# Altium PCB Forno.PcbDoc (part 1 of 2)
Units mm, origin at the board's own origin, x right, y up, seen from the top; angles counter-clockwise.
Board outline 100 x 99.75 mm, 2 copper layers (Top Layer, Bottom Layer); 291 components, 157 nets, 831 pads, 425 vias.
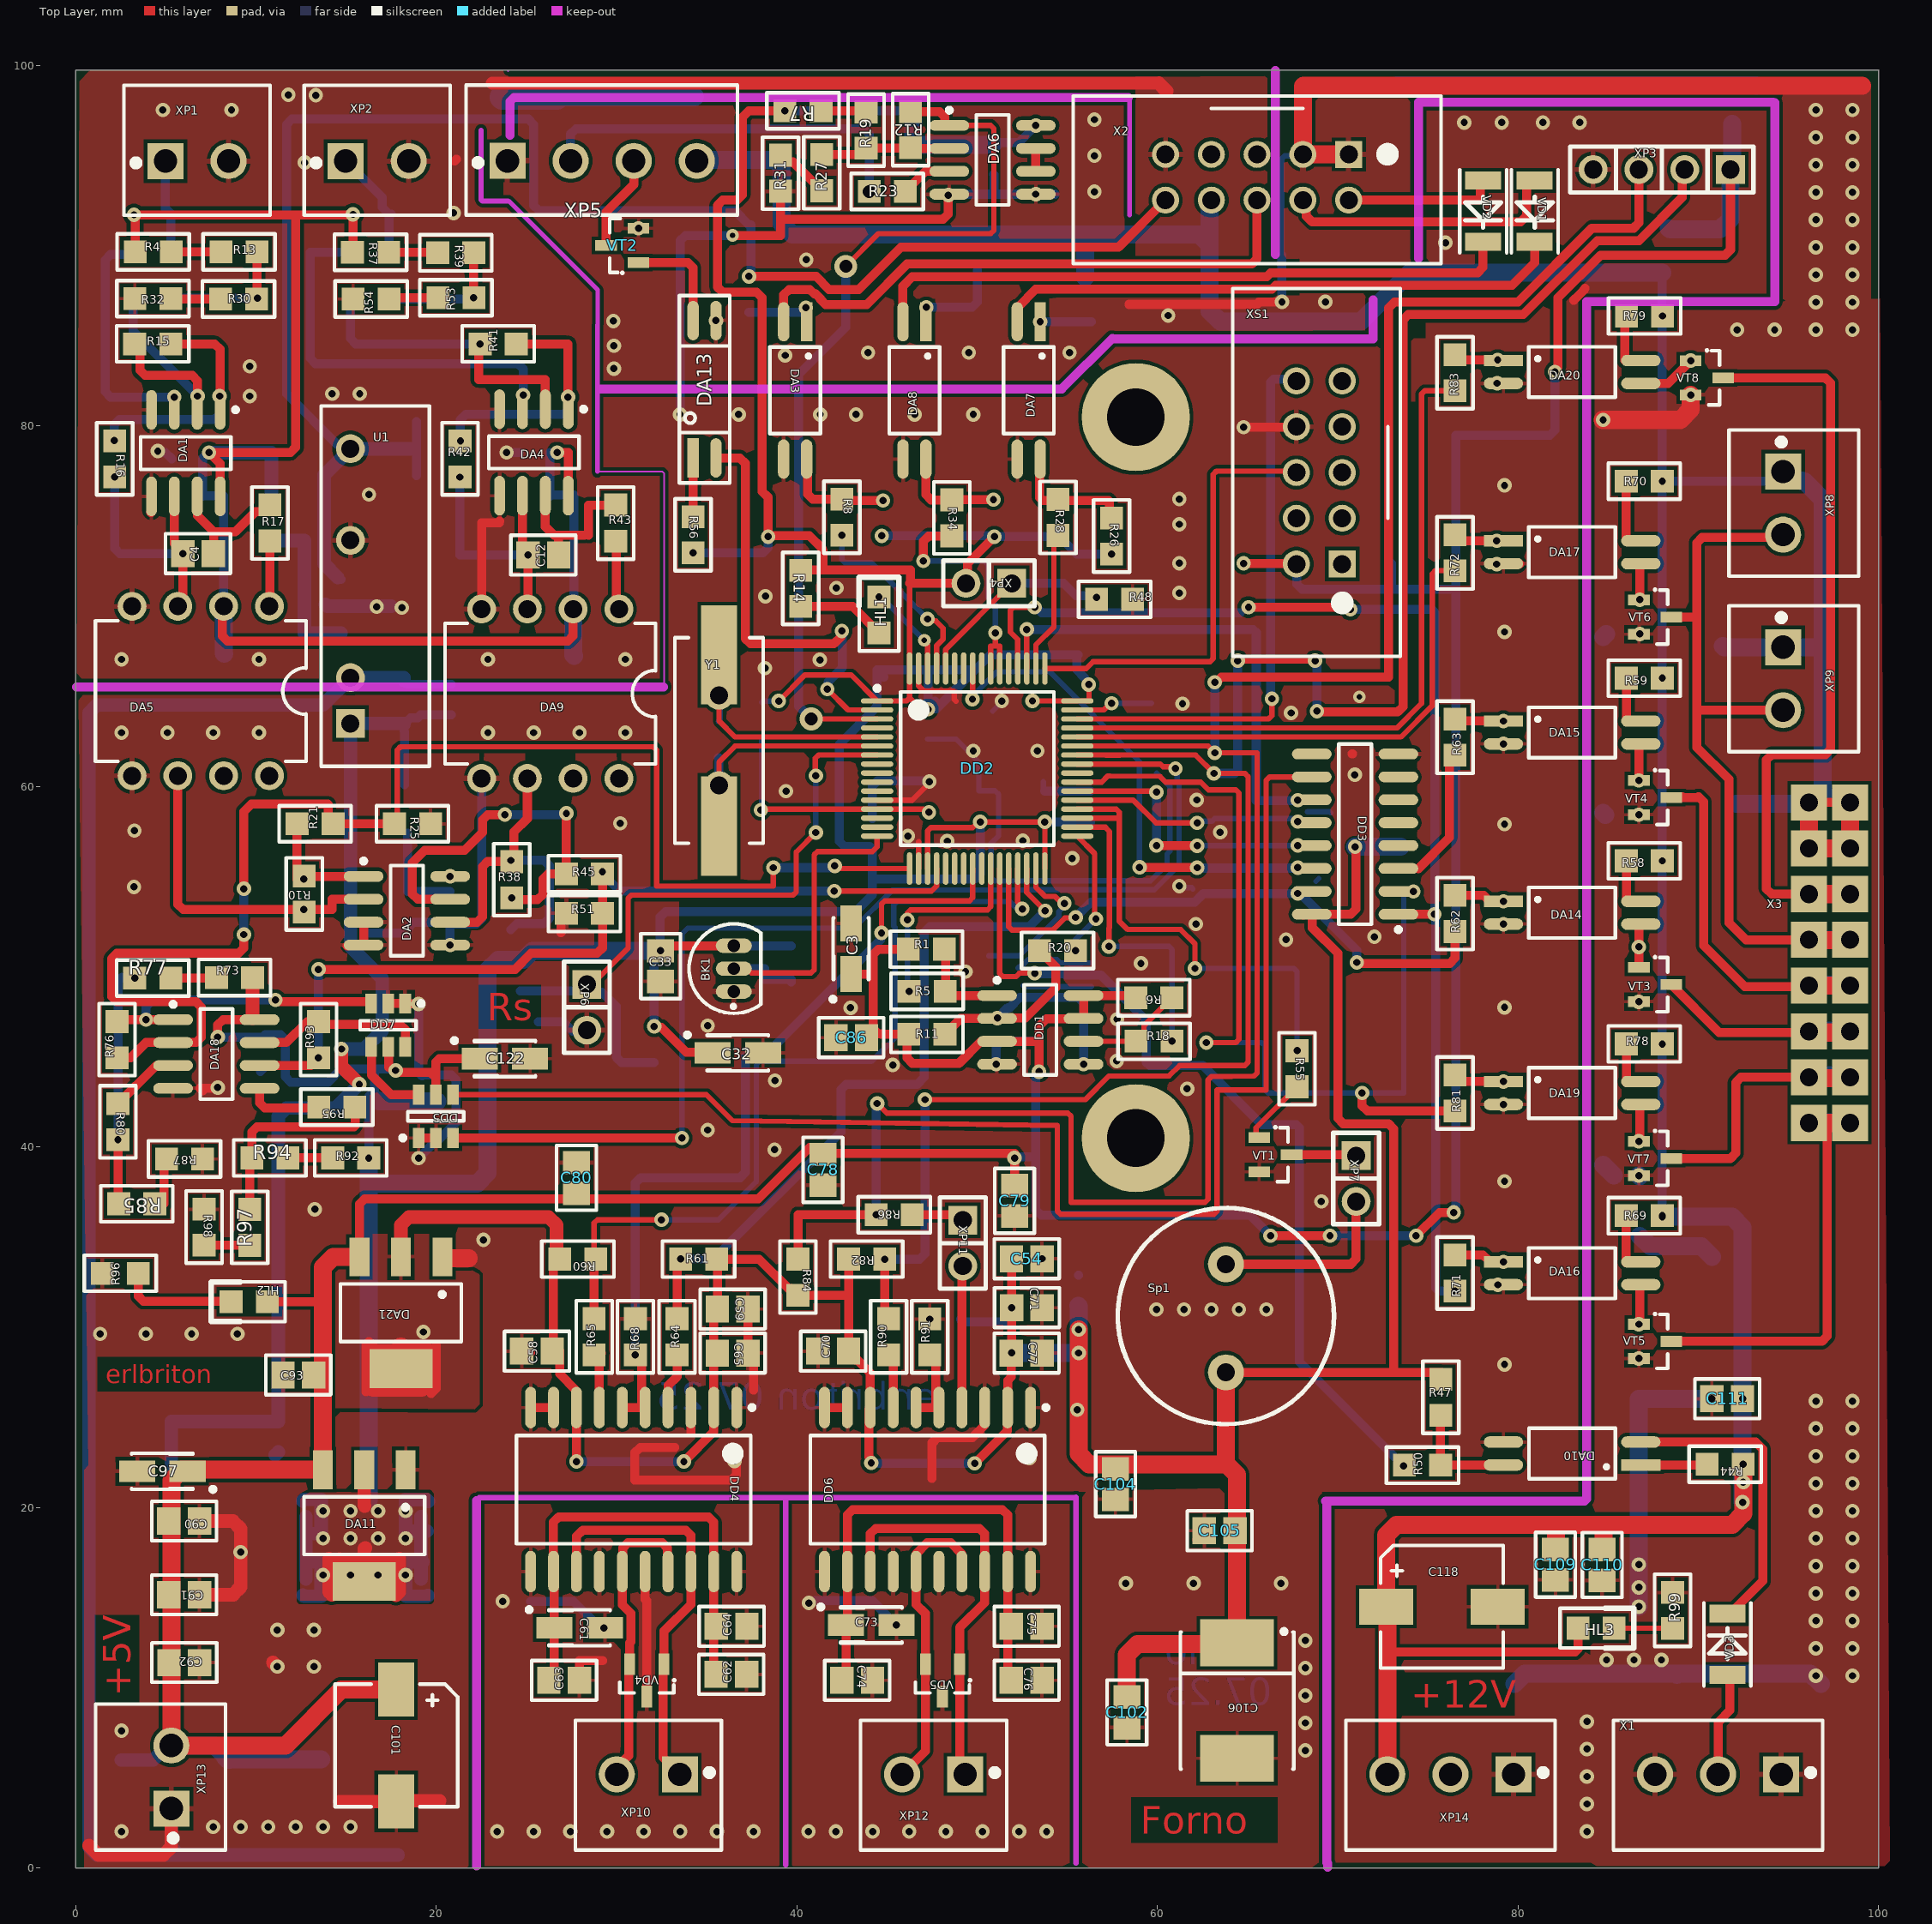
[diagram p0: Top Layer view]
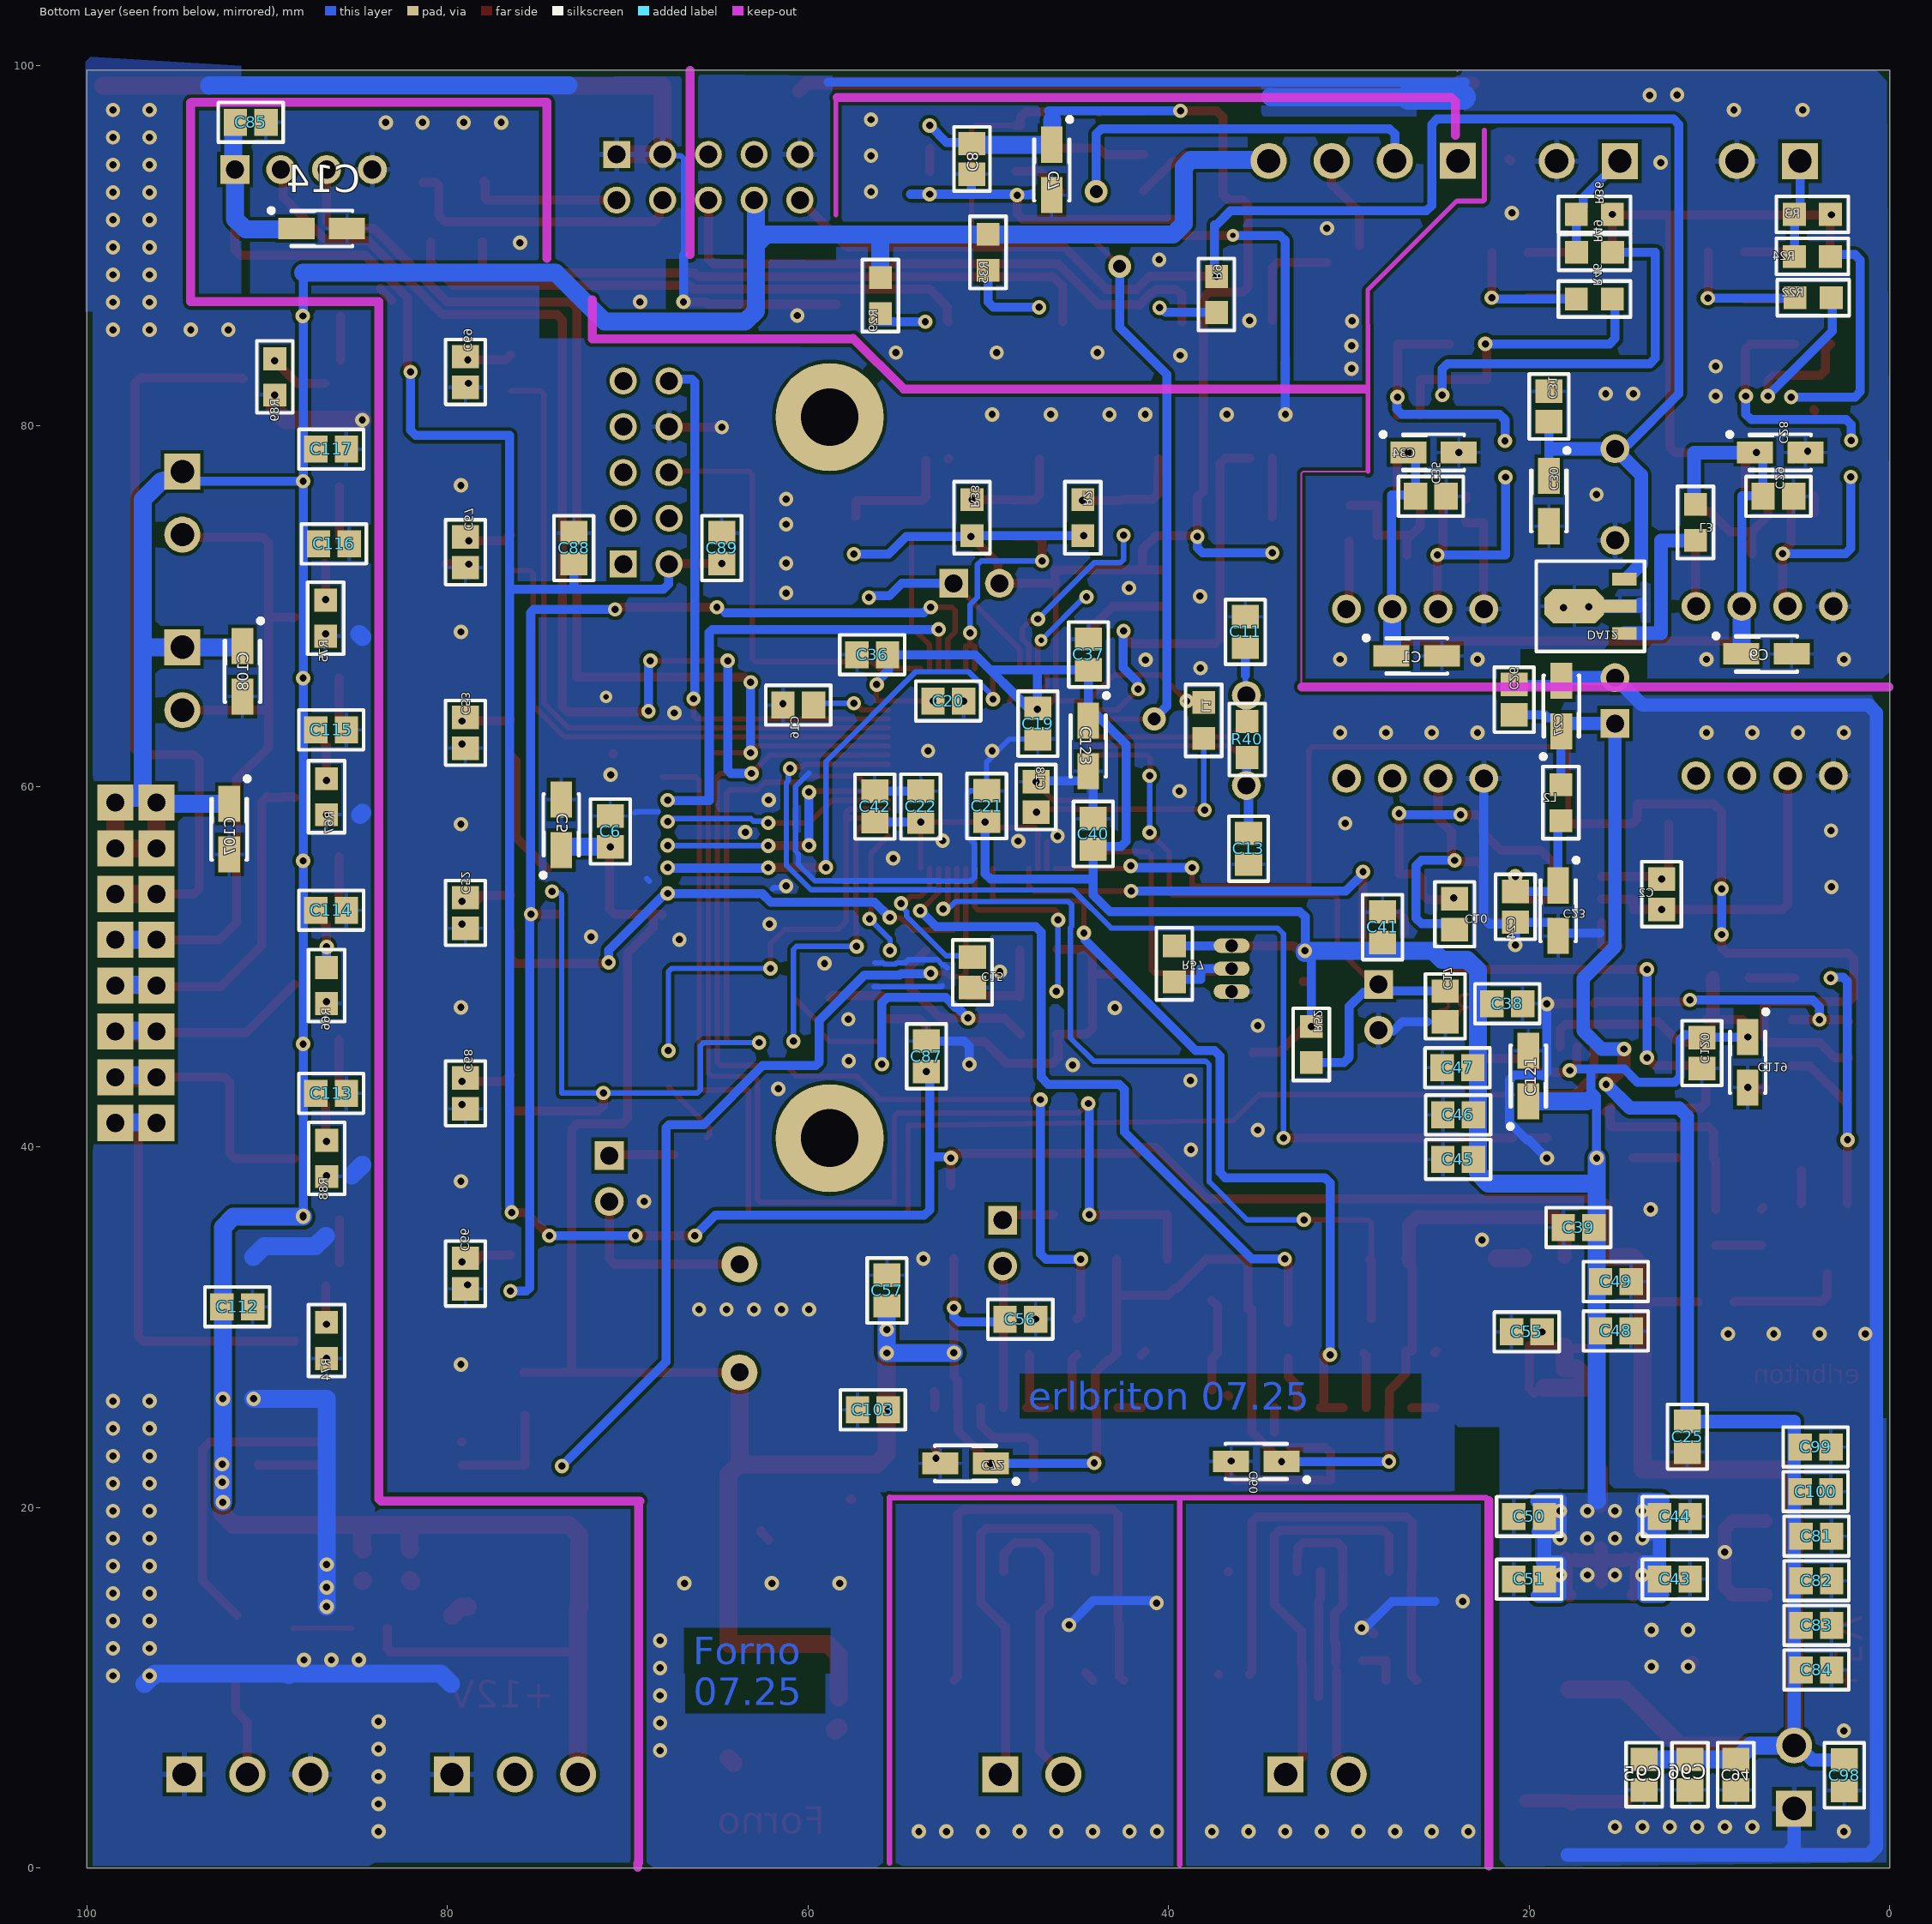
[diagram p1: Bottom Layer view, seen from below]

## Layer stack, top to bottom
Top Solder: solder mask 0.0102, Solder Resist, Dk 3.5
Top Layer: signal copper 0.0356
Dielectric 1: dielectric 0.32, FR-4, Dk 4.8
Bottom Layer: signal copper 0.0356
Bottom Solder: solder mask 0.0102, Solder Resist, Dk 3.5

## Board outline
0,0 100,0 100,99.746 0,99.746

## Design rules (kind name [scope] priority, off if disabled: settings)
Clearance [All] p1: gap=0.2 ignorepadtopadclearanceinfootprint=FALSE
ComponentClearance [All vs InComponent('Sp1')] p1: gap=0 collisioncheckmode=3 verticalgap=0 showdistances=TRUE
HoleSize [All] p1: absolutevalues=TRUE maxlimit=5 minlimit=0.025 maxpercent=80.000 minpercent=20.000
HoleToHoleClearance [All] p1: gap=0.2 allowstackedmicrovias=TRUE
MinimumSolderMaskSliver [All] p1: minsoldermaskwidth=0.2
PolygonConnect [All] p1: thpad.connectstyle=Relief thpad.reliefconductorwidth=0.3 thpad.reliefentries=4 thpad.polygonreliefangle="90 Angle" thpad.airgapwidth=0.2 smdpad.connectstyle=Relief smdpad.reliefconductorwidth=0.2 smdpad.reliefentries=4 smdpad.polygonreliefangle="90 Angle" smdpad.airgapwidth=0.2 via.connectstyle=Direct via.reliefconductorwidth=0.2 via.reliefentries=4 via.polygonreliefangle="90 Angle" via.airgapwidth=0.2
RoutingCorners [All] p1: cornerstyle=45-Degree minsetback=1 maxsetback=1
RoutingVias [All] p1: holewidth=0.4 width=0.8 viastyle="Through Hole" minholewidth=0.25 minwidth=0.65 maxholewidth=10 maxwidth=20
SilkToSilkClearance [All] p1: silktosilkclearance=0.2
SilkToSolderMaskClearance [IsPad] p1: minsilkscreentomaskgap=0.2 clearancetoexposedcopper=TRUE
SolderMaskExpansion SolderMaskExpansion_1 [All] p1: expansion=0.102 istentingtop=FALSE
SolderMaskExpansion Via_Tenting [All] p2: expansion=0.102 istentingtop=TRUE useseparateexpansions=TRUE expansionbottom=0.102 istentingbottom=TRUE
SupplyNets "Schematic Supply Nets_5" [InNet('GND12V')] p1: voltage=0.000
SupplyNets "Schematic Supply Nets_4" [InNet('G4852')] p2: voltage=0.000
SupplyNets "Schematic Supply Nets_3" [InNet('GND')] p3: voltage=0.000
SupplyNets "Schematic Supply Nets_2" [InNet('G4851')] p4: voltage=0.000
SupplyNets "Schematic Supply Nets_1" [InNet('AGND')] p5: voltage=0.000
SupplyNets "Schematic Supply Nets" [InNet('3.3V')] p6: voltage=0.000
Width [All] p1: maxlimit=3 minlimit=0.2 preferedwidth=0.5
23 further rules are at their usual default settings.

## Components (designator, comment, footprint, x,y, rotation, side; value= is the part's Value field where it differs from the comment)
BK1 "DS18B20" TO-92 36.5,49.9 r0 top
C1 "6.8uF" TC3216-1206-A 26.232,67.244 r180 bottom
C2 "100pF" cap0805 12.649,54.026 r90 bottom
C3 "6.8uF" TC3216-1206-A 43,51 r90 top locked
C4 "100pF" cap0805 6.782,72.923 r0 top locked
C5 "6.8uF" TC3216-1206-A 73.684,57.879 r90 bottom
C6 "100n" cap0805 70.96,57.51 r90 bottom
C7 "6,8uF" TC3216-1206-A 46.482,94.209 r270 bottom
C8 "0.1uF" cap0805 50.902,94.818 r270 bottom
C9 "6.8uF" TC3216-1206-A 6.833,67.361 r180 bottom
C10 "100pF" cap0805 24.13,52.92 r90 bottom
C11 "20 pF" cap0805 35.738,68.58 r90 bottom
C12 "100pF" cap0805 25.933,72.847 r0 top locked
C13 "20 pF" cap0805 35.56,56.554 r270 bottom
C14 "6.8uF" TC3216-1206-A 86.97,90.957 r180 bottom
C15 "2.2uF" cap0805 50.876,49.694 r270 bottom
C16 "2.2uF" cap0805 60.538,64.516 r0 bottom
C17 "100 nF" cap0805 24.654,47.803 r270 bottom
C18 "100n" cap0805 47.346,59.422 r270 bottom
C19 "100n" cap0805 47.244,63.488 r270 bottom
C20 "100n" cap0805 52.211,64.745 r180 bottom
C21 "100n" cap0805 50.089,58.916 r90 bottom
C22 "100n" cap0805 53.746,58.889 r90 bottom
C23 "6.8uF" TC3216-1206-A 18.39,53.111 r270 bottom
C24 "0.1uF" cap0805 20.764,53.326 r90 bottom
C25 "100n" cap0805 11.227,23.927 r270 bottom
C26 "0.1uF" cap0805 20.828,64.821 r270 bottom
C27 "6.8uF" TC3216-1206-A 18.212,64.462 r90 bottom
C28 "6.8uF" TC3216-1206-A 6.071,78.537 r180 bottom
C29 "0.1uF" cap0805 6.172,76.098 r0 bottom
C30 "6.8uF" TC3216-1206-A 18.898,75.841 r270 bottom
C31 "0.1uF" cap0805 18.898,81.089 r270 bottom
C32 "6.8uF" TC3216-1206-A 36.721,45.222 r0 top locked
C33 "100n" cap0805 32.436,50.038 r270 top locked
C34 "6.8uF" TC3216-1206-A 25.298,78.537 r180 bottom
C35 "0.1uF" cap0805 25.451,76.098 r0 bottom
C36 "100n" cap0805 56.437,67.31 r180 bottom
C37 "100n" cap0805 44.434,67.324 r270 bottom
C38 "100n" cap0805 21.205,47.955 r0 bottom
C39 "100n" cap0805 17.256,35.535 r180 bottom
C40 "100n" cap0805 44.175,57.369 r270 bottom
C41 "100n" cap0805 28.128,52.197 r270 bottom
C42 "100n" cap0805 56.296,58.891 r270 bottom
C43 "100n" cap0805 11.913,16.027 r0 bottom
C44 "100n" cap0805 11.913,19.507 r0 bottom
C45 "100n" cap0805 23.937,39.319 r0 bottom
C46 "100n" cap0805 23.937,41.783 r0 bottom
C47 "100n" cap0805 23.974,44.399 r0 bottom
C48 "100n" cap0805 15.187,29.794 r180 bottom
C49 "100n" cap0805 15.187,32.537 r180 bottom
C50 "100n" cap0805 20.002,19.507 r0 bottom
C51 "100n" cap0805 20.002,16.027 r0 bottom
C52 "100n" cap0805 79,52.988 r270 bottom
C53 "100n" cap0805 79,62.98 r270 bottom
C54 "100n" cap0805 52.752,33.807 r0 top locked
C55 "100n" cap0805 20.127,29.743 r0 bottom
C56 "100n" cap0805 48.219,30.455 r180 bottom
C57 "100n" cap0805 55.61,32.041 r90 bottom
C58 "100n" cap0805 25.578,28.677 r180 top locked
C59 "100n" cap0805 36.437,31.013 r0 top locked
C60 "6.8uF" TC3216-1206-A 35.128,22.555 r0 bottom
C61 "6.8uF" TC3216-1206-A 27.943,13.335 r0 top locked
C62 "100n" cap0805 36.359,10.744 r0 top locked
C63 "100n" cap0805 27.09,10.414 r0 top locked
C64 "10n" cap0805 36.373,13.411 r0 top locked
C65 "10n" cap0805 36.437,28.575 r0 top locked
C66 "100n" cap0805 79,32.981 r270 bottom
C67 "100n" cap0805 79,73 r270 bottom
C68 "100n" cap0805 79,42.977 r270 bottom
C69 "100n" cap0805 79,82.995 r270 bottom
C70 "100n" cap0805 42.012,28.677 r180 top locked
C71 "100n" cap0805 52.756,31.09 r0 top locked
C72 "6.8uF" TC3216-1206-A 51.257,22.454 r0 bottom
C73 "6.8uF" TC3216-1206-A 44.12,13.485 r0 top locked
C74 "100n" cap0805 43.344,10.414 r0 top locked
C75 "100n" cap0805 52.744,13.411 r0 top locked
C76 "10n" cap0805 52.744,10.414 r0 top locked
C77 "10n" cap0805 52.742,28.575 r0 top locked
C78 "100n" cap0805 41.437,38.735 r90 top locked
C79 "100n" cap0805 52.07,37.02 r90 top locked
C80 "100n" cap0805 27.772,38.29 r270 top locked
C81 "100n" cap0805 4.062,18.415 r0 bottom
C82 "100n" cap0805 4.062,15.943 r0 bottom
C83 "100n" cap0805 4.062,13.471 r0 bottom
C84 "100n" cap0805 4.062,10.998 r0 bottom
C85 "100n" cap0805 90.907,96.85 r0 bottom
C86 "100n" cap0805 43.012,46.074 r0 top locked
C87 "100n" cap0805 53.426,45.034 r270 bottom
C88 "100n" cap0805 72.984,73.228 r270 bottom
C89 "100n" cap0805 64.78,73.228 r270 bottom
C90 "100n" cap0805 6.011,19.253 r180 top locked
C91 "100n" cap0805 6.011,15.164 r180 top locked
C92 "100n" cap0805 6.013,11.405 r180 top locked
C93 "100n" cap0805 12.344,27.356 r0 top locked
C94 "10n" cap0805 8.534,5.182 r90 bottom
C95 "100n" cap0805 13.614,5.182 r90 bottom
C96 "100n" cap0805 11.074,5.182 r90 bottom
C97 "6.8uF" TC3216-1206-A 4.801,22.013 r180 top locked
C98 "100n" cap0805 2.515,5.143 r270 bottom
C99 "10n" cap0805 4.107,23.36 r180 bottom
C100 "100n" cap0805 4.107,20.888 r180 bottom
C101 "220uF" 6.3D 17.78,6.807 r270 top locked
C102 "100n" cap0805 58.303,8.636 r270 top locked
C103 "10n" cap0805 56.398,25.425 r0 bottom
C104 "10n" cap0805 57.668,21.299 r270 top locked
C105 "100n" cap0805 63.445,18.72 r180 top locked
C106 "100uF" TC7360-2924-E 64.414,9.296 r270 top locked
C107 "6.8uF" TC3216-1206-A 92.1,57.633 r270 bottom
C108 "6.8uF" TC3216-1206-A 91.364,66.396 r270 bottom
C109 "100n" cap0805 82.077,16.828 r270 top locked
C110 "100n" cap0805 84.668,16.815 r270 top locked
C111 "100n" cap0805 91.602,26.035 r180 top locked
C112 "100n" cap0805 91.653,31.14 r180 bottom
C113 "100n" cap0805 86.446,42.977 r180 bottom
C114 "100n" cap0805 86.446,53.137 r180 bottom
C115 "100n" cap0805 86.446,63.144 r180 bottom
C116 "100n" cap0805 86.294,73.457 r180 bottom
C117 "100n" cap0805 86.446,78.715 r180 bottom
C118 "220uF" 6.3D 75.778,14.5 r0 top locked
C119 "6.8uF" TC3216-1206-A 7.874,44.704 r270 bottom
C120 "0.1uF" cap0805 10.414,45.212 r270 bottom
C121 "6.8uF" TC3216-1206-A 20.043,43.942 r90 bottom
C122 "6.8uF" TC3216-1206-A 23.8,44.907 r0 top locked
C123 "6.8uF" TC3216-1206-A 44.45,62.25 r270 bottom
DA1 "AD8602ARZ" SO-8 6.1,78.5 r270 top locked
DA2 "AD8602ARZ" SO-8 18.364,53.111 r0 top locked
DA3 "PS2801" SOP4 39.9,81.976 r180 top locked
DA4 "AD8602ARZ" SO-8 25.41,78.537 r270 top locked
DA5 "HCNR200-000E" DIP8 6.93,65.299 r180 top
DA6 "AD8602ARZ" SO-8 50.851,94.767 r0 top locked
DA7 "PS2801" SOP4 52.856,81.976 r180 top locked
DA8 "PS2801" SOP4 46.516,81.976 r180 top locked
DA9 "HCNR200-000E" DIP8 26.318,65.151 r180 top
DA10 "PS2801" SOP4 83,23 r90 top locked
DA11 "LM1117MP-3.3" SOT223 16,19 r180 top locked
DA12 "L78L33ACUTR" SOT89 16.107,70.002 r90 bottom
DA13 "PS2801" SOP4 34.874,82.042 r0 top locked
DA14 "PS2801" SOP4 83,53 r270 top locked
DA15 "PS2801" SOP4 83,63 r270 top locked
DA16 "PS2801" SOP4 83,33 r270 top locked
DA17 "PS2801" SOP4 83,73 r270 top locked
DA18 "AD8602ARZ" SO-8 7.798,45.161 r0 top locked
DA19 "PS2801" SOP4 83,43 r270 top locked
DA20 "PS2801" SOP4 83,83 r270 top locked
DA21 "LM1117MP-3.3" SOT223 18.034,30.81 r180 top locked
DD1 "" SO-8_N 53.5,46.5 r0 top locked
DD2 "STM32F405RGT6" LQFP64 50,61 r0 top locked
DD3 "MC74HC595AD" SO-16 70.96,57.36 r180 top locked
DD4 "ADM2587E" SO-20_N 30.944,21 r270 top locked
DD5 "SN74LVC1G97" SOT23-6 19.964,41.707 r90 top locked
DD6 "ADM2587E" SO-20_N 47.244,21 r270 top locked
DD7 "SN74LVC1G97" SOT23-6 17.323,46.761 r270 top locked
HL1 "KP-2012SGC" Led0805 44.552,69.52 r90 top locked
HL2 "KP-2012SRC" Led0805 9.617,31.42 r180 top locked
HL3 "KP-2012SRC" Led0805 84.328,13.31 r0 top locked
L1 "0.47uH" res0805 38.049,63.668 r270 bottom
L2 "0.47uH" 0805 18.237,59.106 r270 bottom
L3 "0.47uH" 0805 10.77,74.651 r90 bottom
R1 "4.7k" res0805 47.184,50.978 r0 top locked
R2 "1k" res0805 44.755,74.914 r270 bottom
R3 "1k" res0805 4.283,91.745 r180 bottom
R4 "4k" res0805 4.293,89.662 r180 top locked
R5 "100" res0805 47.219,48.641 r0 top locked
R6 "4.7k" res0805 59.792,48.285 r180 top locked
R7 "2.4k" res0805 40.335,97.485 r180 top locked
R8 "470" res0805 42.494,74.939 r270 top locked
R9 "470" res0805 37.338,87.3 r90 bottom
R10 "150k" res0805 12.675,54.042 r90 top locked
R11 "4.7k" res0805 47.209,46.253 r0 top locked
R12 "*" res0805 46.304,96.444 r90 top locked
R13 "600" res0805 9.052,89.662 r180 top locked
R14 "300" res0805 40.208,70.993 r270 top locked
R15 "51k" res0805 4.267,84.557 r0 top locked
R16 "100k" res0805 2.159,78.181 r270 top locked
R17 "100" res0805 10.77,74.625 r270 top locked
R18 "100" res0805 59.808,45.872 r0 top locked
R19 "2.4k" res0805 43.84,96.418 r90 top locked
R20 "100" res0805 54.458,50.902 r0 top locked
R21 "*" res0805 13.275,57.937 r0 top locked
R22 "10k" res0805 4.242,87.122 r180 bottom
R23 "39k" res0805 45.009,93.015 r0 top locked
R24 "10k" res0805 4.283,89.408 r180 bottom
R25 "*" res0805 18.678,57.937 r180 top locked
R26 "1k" res0805 57.455,73.898 r270 top locked
R27 "2.4k" res0805 41.377,94.056 r90 top locked
R28 "470" res0805 54.483,74.93 r270 top locked
R29 "1k" res0805 55.982,87.24 r90 bottom
R30 "7.5k" res0805 9.026,87.046 r0 top locked
R31 "3.3k" res0805 39.091,94.031 r90 top locked
R32 "0" res0805 4.277,87.071 r0 top locked
R33 "1k" res0805 50.902,74.921 r270 bottom
R34 "470" res0805 48.59,74.905 r270 top locked
R35 "1k" res0805 50.013,89.637 r90 bottom
R36 "1k" res0805 16.374,91.745 r180 bottom
R37 "4k" res0805 16.348,89.637 r180 top locked
R38 "150k" res0805 24.181,54.829 r270 top locked
R39 "600" res0805 21.073,89.611 r180 top locked
R40 "1M" res0805 35.636,62.611 r90 bottom
R41 "51k" res0805 23.428,84.557 r0 top locked
R42 "100k" res0805 21.311,78.181 r270 top locked
R43 "100" res0805 29.947,74.616 r270 top locked
R44 "1k" res0805 91.491,22.403 r180 top locked
R45 "*" res0805 28.211,55.161 r0 top locked
R46 "10k" res0805 16.374,87.046 r180 bottom
R47 "1k" res0805 75.717,26.121 r90 top locked
R48 "10k" res0805 57.623,70.383 r180 top locked
R49 "10k" res0805 16.367,89.637 r180 bottom
R50 "470" res0805 74.701,22.352 r180 top locked
R51 "*" res0805 28.211,52.961 r0 top locked
R52 "10k" res0805 32.08,45.695 r270 bottom
R53 "7.5k" res0805 21.082,87.122 r0 top locked
R54 "0" res0805 16.383,87.046 r0 top locked
R55 "1k" res0805 67.742,44.348 r270 top locked
R56 "330" res0805 34.239,73.965 r270 top locked
R57 "4.7k" res0805 39.675,50.165 r90 bottom
R58 "1k" res0805 87,55.88 r0 top locked
R59 "1k" res0805 87,66.015 r0 top locked
R60 "4.7k" res0805 27.848,33.782 r180 top locked
R61 "4.7k" res0805 34.544,33.782 r0 top locked
R62 "330" res0805 76.5,52.959 r90 top locked
R63 "330" res0805 76.5,62.738 r90 top locked
R64 "100" res0805 33.35,29.475 r90 top locked
R65 "100" res0805 28.753,29.475 r90 top locked
R66 "1k" res0805 86.7,48.962 r90 bottom
R67 "1k" res0805 86.7,59.435 r90 bottom
R68 "4.7k" res0805 31.039,29.475 r90 top locked
R69 "1k" res0805 87,36.195 r0 top locked
R70 "1k" res0805 87,76.937 r0 top locked
R71 "330" res0805 76.5,33.011 r90 top locked
R72 "330" res0805 76.5,72.965 r90 top locked
R73 "2.4k" res0805 8.804,49.403 r0 top locked
R74 "1k" res0805 86.7,29.27 r90 bottom
R75 "1k" res0805 86.755,69.343 r90 bottom
R76 "*" res0805 2.286,45.958 r90 top locked
R77 "2.4k" res0805 4.267,49.378 r0 top locked
R78 "1k" res0805 87,45.72 r0 top locked
R79 "1k" res0805 87.02,86.106 r0 top locked
R80 "39k" res0805 2.337,41.402 r90 top locked
R81 "330" res0805 76.5,43.002 r90 top locked
R82 "4.7k" res0805 43.866,33.782 r180 top locked
R83 "330" res0805 76.5,82.956 r90 top locked
R84 "4.7k" res0805 40.056,32.782 r270 top locked
R85 "2.4k" res0805 3.378,36.855 r180 top locked
R86 "100" res0805 45.399,36.246 r180 top locked
R87 "3.3k" res0805 6.029,39.345 r180 top locked
R88 "1k" res0805 86.69,39.37 r90 bottom
R89 "1k" res0805 89.575,82.727 r90 bottom
R90 "100" res0805 45.085,29.475 r90 top locked
R91 "4.7k" res0805 47.371,29.473 r90 top locked
R92 "2.4k" res0805 15.249,39.395 r0 top locked
R93 "*" res0805 13.462,45.958 r90 top locked
R94 "2.4k" res0805 10.76,39.395 r0 top locked
R95 "39k" res0805 14.478,42.215 r180 top locked
R96 "470" res0805 2.464,32.995 r180 top locked
R97 "2.4k" res0805 9.652,35.544 r90 top locked
R98 "3.3k" res0805 7.112,35.56 r270 top locked
R99 "2k" res0805 88.57,14.3 r90 top locked
Sp1 "Speaker" Speaker 63.8,30.5 r0 top
U1 "AM1D-0505SH30N" SIP7S 17.012,71.12 r90 top
VD1 "TZMC4V7" SOD80 80.924,91.914 r270 top locked
VD2 "TZMC4V7" SOD80 78.061,91.914 r270 top locked
VD3 "TZMC4V7" SOD80 91.612,12.406 r90 top locked
VD4 "SM712-02HTG" SOT23 31.674,10.414 r270 top locked
VD5 "SM712-02HTG" SOT23 48.072,10.414 r270 top locked
VT1 "IRLML2803TR" SOT23 66.54,39.575 r0 top locked
VT2 "IRLML2803TR" SOT23 30.313,90.018 r180 top locked
VT3 "IRLML2803TR" SOT23 87.6,49.012 r0 top locked
VT4 "IRLML2803TR" SOT23 87.6,59.385 r0 top locked
VT5 "IRLML2803TR" SOT23 87.6,29.22 r0 top locked
VT6 "IRLML2803TR" SOT23 87.6,69.4 r0 top locked
VT7 "IRLML2803TR" SOT23 87.6,39.37 r0 top locked
VT8 "IRLML2803TR" SOT23 90.475,82.677 r0 top locked
X1 "15EDGVC-3.5-03P" 15EDGVC-3.5-03P-2 92.846,5.2 r180 top
X2 "IDC-10" IDC-10 65.525,93.803 r180 top
X3 "PBD-16" Pl_connect 97.275,41.336 r0 top
XP1 "15EDGVC-3.5-02P" 15EDGVC-3.5-02P 6.724,94.7 r0 top
XP2 "15EDGVC-3.5-02P" 15EDGVC-3.5-02P 16.716,94.7 r0 top
XP3 "PLS-4" PLS4 87.973,94.23 r90 top
XP4 "PLS-2" PLS2 50.648,71.272 r90 top
XP5 "15EDGVC-3.5-04P" 15EDGVC-3.5-04P 23.946,94.711 r0 top
XP6 "PLS-2" PLS2 28.346,47.752 r180 top
XP7 "PLS-2" PLS2 71.018,38.252 r180 top
XP8 "15EDGVC-3.5-02P" 15EDGVC-3.5-02P 94.7,75.725 r270 top
XP9 "15EDGVC-3.5-02P" 15EDGVC-3.5-02P 94.7,65.984 r270 top
XP10 "15EDGVC-3.5-02P" 15EDGVC-3.5-02P 31.756,5.2 r180 top
XP11 "PLS-2" PLS2 49.2,34.671 r180 top
XP12 "15EDGVC-3.5-02P" 15EDGVC-3.5-02P 47.582,5.2 r180 top
XP13 "15EDGVC-3.5-02P" 15EDGVC-3.5-02P 5.3,5.05 r90 top locked
XP14 "15EDGVC-3.5-03P" 15EDGVC-3.5-03P-2 78,5.2 r180 top
XS1 "IDC-10" IDC-10 68.975,77.424 r90 top
Y1 "8MHz" XT49M 35.68,62.558 r270 top locked
